# KiCad board SmartSpin2k_Panelized.kicad_pcb (continued)
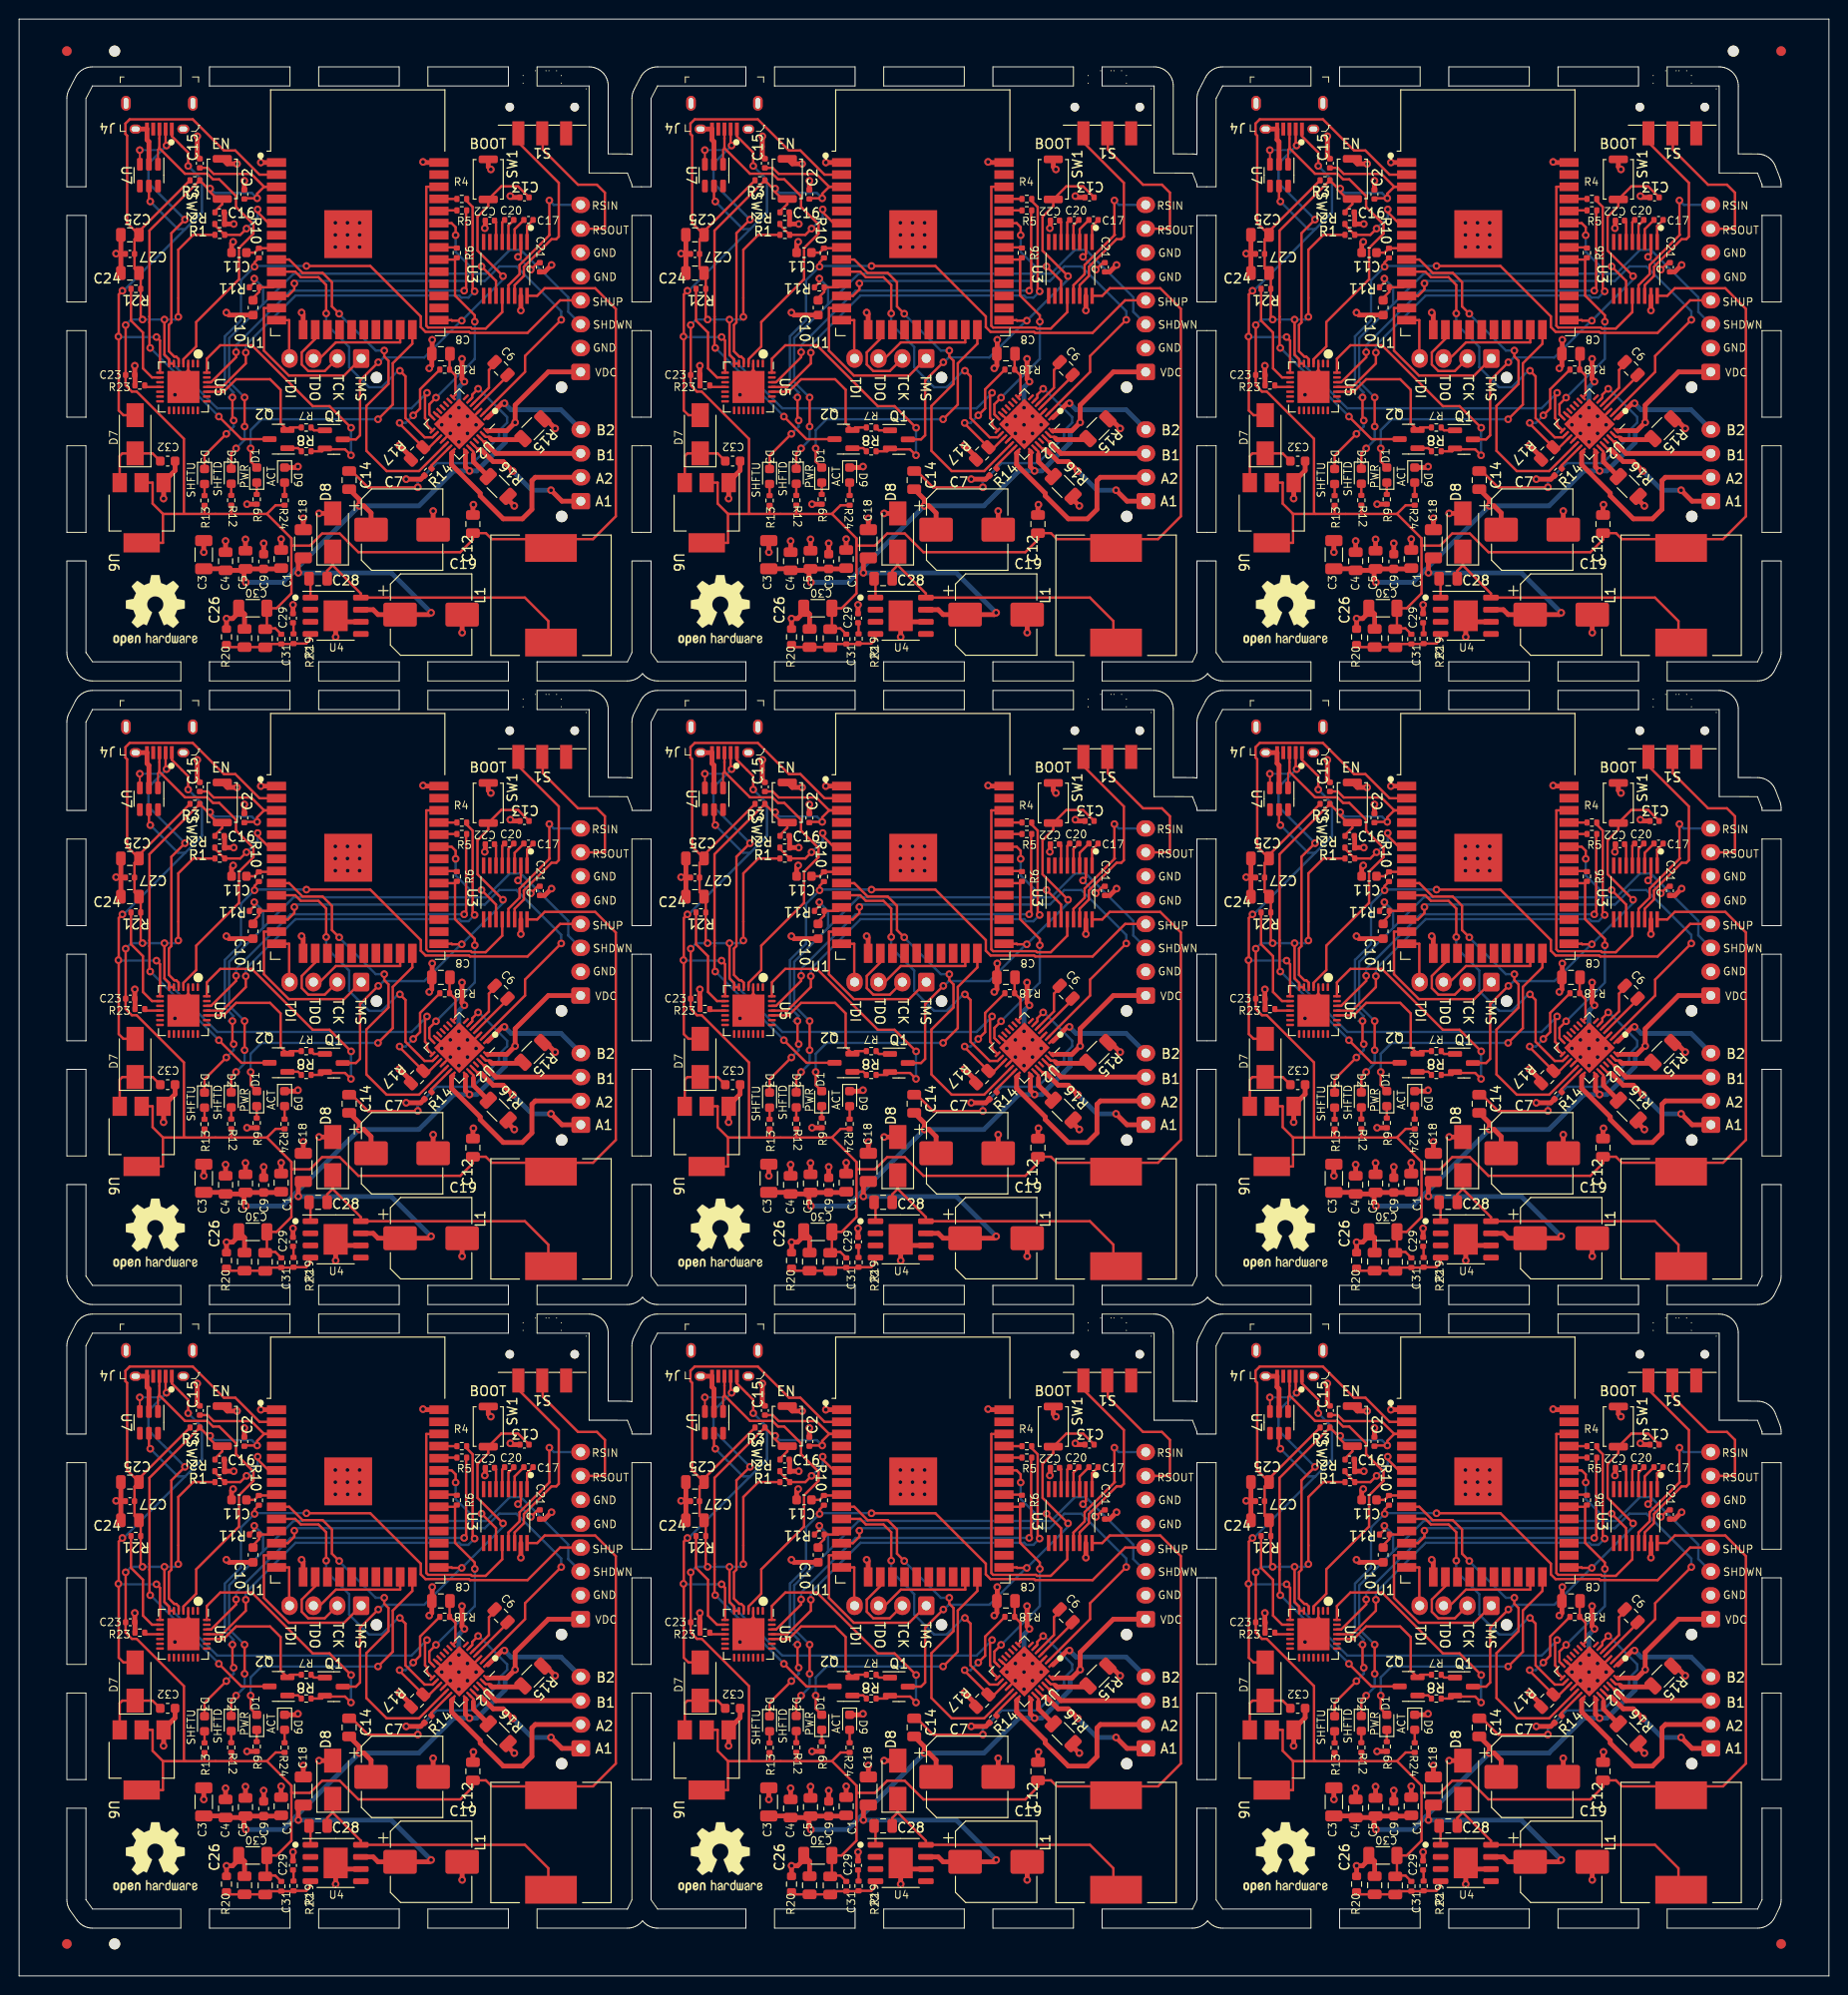
[diagram p0: board, top side]
## Placement (name value [footprint] x y rotation side) (continued)
D7#2  D_Schottky  [D_SMA]  12.15 30.82 90 top
D7#3  D_Schottky  [D_SMA]  130.45 30.82 90 top
D7#4  D_Schottky  [D_SMA]  130.45 96.12 90 top
D7#5  D_Schottky  [D_SMA]  12.15 96.12 90 top
D7#6  D_Schottky  [D_SMA]  130.45 161.42 90 top
D7#7  D_Schottky  [D_SMA]  71.3 30.82 90 top
D7#8  D_Schottky  [D_SMA]  71.3 161.42 90 top
D7#9  D_Schottky  [D_SMA]  71.3 96.12 90 top
D8  D_Schottky  [D_SMA]  32.83 151.14 90 top
D8#2  D_Schottky  [D_SMA]  91.98 85.84 90 top
D8#3  D_Schottky  [D_SMA]  91.98 151.14 90 top
D8#4  D_Schottky  [D_SMA]  32.83 20.54 90 top
D8#5  D_Schottky  [D_SMA]  151.13 20.54 90 top
D8#6  D_Schottky  [D_SMA]  91.98 20.54 90 top
D8#7  D_Schottky  [D_SMA]  151.13 151.14 90 top
D8#8  D_Schottky  [D_SMA]  32.83 85.84 90 top
D8#9  D_Schottky  [D_SMA]  151.13 85.84 90 top
D9  LED_Small  [LED_0603_1608Metric]  27.79 91.86 270 top
D9#2  LED_Small  [LED_0603_1608Metric]  146.09 91.86 270 top
D9#3  LED_Small  [LED_0603_1608Metric]  146.09 157.16 270 top
D9#4  LED_Small  [LED_0603_1608Metric]  86.94 157.16 270 top
D9#5  LED_Small  [LED_0603_1608Metric]  86.94 91.86 270 top
D9#6  LED_Small  [LED_0603_1608Metric]  27.79 157.16 270 top
D9#7  LED_Small  [LED_0603_1608Metric]  27.79 26.56 270 top
D9#8  LED_Small  [LED_0603_1608Metric]  146.09 26.56 270 top
D9#9  LED_Small  [LED_0603_1608Metric]  86.94 26.56 270 top
G***  LOGO  [SS2K_QR_Code_25x25mm]  153.64 186.57 180 bottom
G***#2  LOGO  [SmartSpin_ScreenPrint_One_25x25mm]  19.23 84.59 0 bottom
G***#3  LOGO  [SS2K_QR_Code_25x25mm]  94.49 186.57 180 bottom
G***#4  LOGO  [SS2K_QR_Code_25x25mm]  94.49 121.27 180 bottom
G***#5  LOGO  [SmartSpin_ScreenPrint_One_25x25mm]  137.53 149.89 0 bottom
G***#6  LOGO  [SS2K_QR_Code_25x25mm]  35.34 55.97 180 bottom
G***#7  LOGO  [SmartSpin_ScreenPrint_One_25x25mm]  78.38 149.89 0 bottom
G***#8  LOGO  [SmartSpin_ScreenPrint_One_25x25mm]  78.38 19.29 0 bottom
G***#9  LOGO  [SS2K_QR_Code_25x25mm]  153.64 121.27 180 bottom
G***#10  LOGO  [SmartSpin_ScreenPrint_One_25x25mm]  19.23 19.29 0 bottom
G***#11  LOGO  [SmartSpin_ScreenPrint_One_25x25mm]  19.23 149.89 0 bottom
G***#12  LOGO  [SmartSpin_ScreenPrint_One_25x25mm]  137.53 84.59 0 bottom
G***#13  LOGO  [SmartSpin_ScreenPrint_One_25x25mm]  78.38 84.59 0 bottom
G***#14  LOGO  [SS2K_QR_Code_25x25mm]  35.34 186.57 180 bottom
G***#15  LOGO  [SS2K_QR_Code_25x25mm]  35.34 121.27 180 bottom
G***#16  LOGO  [SmartSpin_ScreenPrint_One_25x25mm]  137.53 19.29 0 bottom
G***#17  LOGO  [SS2K_QR_Code_25x25mm]  153.64 55.97 180 bottom
G***#18  LOGO  [SS2K_QR_Code_25x25mm]  94.49 55.97 180 bottom
J1  B4B-XH-AMLFSN  [JST_XH_B4B-XH-AM_1x04_P2.50mm_Vertical]  58.8 154.42 90 bottom
J1#2  B4B-XH-AMLFSN  [JST_XH_B4B-XH-AM_1x04_P2.50mm_Vertical]  117.95 23.82 90 bottom
J1#3  B4B-XH-AMLFSN  [JST_XH_B4B-XH-AM_1x04_P2.50mm_Vertical]  177.1 89.12 90 bottom
J1#4  B4B-XH-AMLFSN  [JST_XH_B4B-XH-AM_1x04_P2.50mm_Vertical]  58.8 23.82 90 bottom
J1#5  B4B-XH-AMLFSN  [JST_XH_B4B-XH-AM_1x04_P2.50mm_Vertical]  117.95 154.42 90 bottom
J1#6  B4B-XH-AMLFSN  [JST_XH_B4B-XH-AM_1x04_P2.50mm_Vertical]  177.1 154.42 90 bottom
J1#7  B4B-XH-AMLFSN  [JST_XH_B4B-XH-AM_1x04_P2.50mm_Vertical]  117.95 89.12 90 bottom
J1#8  B4B-XH-AMLFSN  [JST_XH_B4B-XH-AM_1x04_P2.50mm_Vertical]  177.1 23.82 90 bottom
J1#9  B4B-XH-AMLFSN  [JST_XH_B4B-XH-AM_1x04_P2.50mm_Vertical]  58.8 89.12 90 bottom
J2  B4B-XH-AMLFSN  [JST_XH_B4B-XH-AM_1x04_P2.50mm_Vertical]  154.11 104.07 180 bottom
J2#2  B4B-XH-AMLFSN  [JST_XH_B4B-XH-AM_1x04_P2.50mm_Vertical]  94.96 169.37 180 bottom
J2#3  B4B-XH-AMLFSN  [JST_XH_B4B-XH-AM_1x04_P2.50mm_Vertical]  94.96 38.77 180 bottom
J2#4  B4B-XH-AMLFSN  [JST_XH_B4B-XH-AM_1x04_P2.50mm_Vertical]  35.81 104.07 180 bottom
J2#5  B4B-XH-AMLFSN  [JST_XH_B4B-XH-AM_1x04_P2.50mm_Vertical]  35.81 38.77 180 bottom
J2#6  B4B-XH-AMLFSN  [JST_XH_B4B-XH-AM_1x04_P2.50mm_Vertical]  154.11 38.77 180 bottom
J2#7  B4B-XH-AMLFSN  [JST_XH_B4B-XH-AM_1x04_P2.50mm_Vertical]  35.81 169.37 180 bottom
J2#8  B4B-XH-AMLFSN  [JST_XH_B4B-XH-AM_1x04_P2.50mm_Vertical]  94.96 104.07 180 bottom
J2#9  B4B-XH-AMLFSN  [JST_XH_B4B-XH-AM_1x04_P2.50mm_Vertical]  154.11 169.37 180 bottom
J3  B8B-XH-A_LFSN  [JST_XH_B8B-XH-AM_1x08_P2.50mm_Vertical]  117.93 167.95 90 bottom
J3#2  B8B-XH-A_LFSN  [JST_XH_B8B-XH-AM_1x08_P2.50mm_Vertical]  58.78 167.95 90 bottom
J3#3  B8B-XH-A_LFSN  [JST_XH_B8B-XH-AM_1x08_P2.50mm_Vertical]  117.93 37.35 90 bottom
J3#4  B8B-XH-A_LFSN  [JST_XH_B8B-XH-AM_1x08_P2.50mm_Vertical]  58.78 37.35 90 bottom
J3#5  B8B-XH-A_LFSN  [JST_XH_B8B-XH-AM_1x08_P2.50mm_Vertical]  177.08 37.35 90 bottom
J3#6  B8B-XH-A_LFSN  [JST_XH_B8B-XH-AM_1x08_P2.50mm_Vertical]  177.08 102.65 90 bottom
J3#7  B8B-XH-A_LFSN  [JST_XH_B8B-XH-AM_1x08_P2.50mm_Vertical]  117.93 102.65 90 bottom
J3#8  B8B-XH-A_LFSN  [JST_XH_B8B-XH-AM_1x08_P2.50mm_Vertical]  177.08 167.95 90 bottom
J3#9  B8B-XH-A_LFSN  [JST_XH_B8B-XH-AM_1x08_P2.50mm_Vertical]  58.78 102.65 90 bottom
J4  10118194-0001LF  [USB_Micro_B_Female_10118194-0001LF]  73.84 62.79 180 top
J4#2  10118194-0001LF  [USB_Micro_B_Female_10118194-0001LF]  73.84 193.39 180 top
J4#3  10118194-0001LF  [USB_Micro_B_Female_10118194-0001LF]  14.69 128.09 180 top
J4#4  10118194-0001LF  [USB_Micro_B_Female_10118194-0001LF]  132.99 193.39 180 top
J4#5  10118194-0001LF  [USB_Micro_B_Female_10118194-0001LF]  73.84 128.09 180 top
J4#6  10118194-0001LF  [USB_Micro_B_Female_10118194-0001LF]  14.69 62.79 180 top
J4#7  10118194-0001LF  [USB_Micro_B_Female_10118194-0001LF]  132.99 62.79 180 top
J4#8  10118194-0001LF  [USB_Micro_B_Female_10118194-0001LF]  132.99 128.09 180 top
J4#9  10118194-0001LF  [USB_Micro_B_Female_10118194-0001LF]  14.69 193.39 180 top
L1  L_Iron  [L_12x12mm_H8mm]  173.98 144.57 90 top
L1#2  L_Iron  [L_12x12mm_H8mm]  55.68 144.57 90 top
L1#3  L_Iron  [L_12x12mm_H8mm]  55.68 79.27 90 top
L1#4  L_Iron  [L_12x12mm_H8mm]  55.68 13.97 90 top
L1#5  L_Iron  [L_12x12mm_H8mm]  114.83 144.57 90 top
L1#6  L_Iron  [L_12x12mm_H8mm]  173.98 79.27 90 top
L1#7  L_Iron  [L_12x12mm_H8mm]  173.98 13.97 90 top
L1#8  L_Iron  [L_12x12mm_H8mm]  114.83 13.97 90 top
L1#9  L_Iron  [L_12x12mm_H8mm]  114.83 79.27 90 top
Q1  S8050  [SOT-23]  151.25 160.89 0 top
Q1#2  S8050  [SOT-23]  92.1 95.59 0 top
Q1#3  S8050  [SOT-23]  32.95 160.89 0 top
Q1#4  S8050  [SOT-23]  32.95 95.59 0 top
Q1#5  S8050  [SOT-23]  151.25 95.59 0 top
Q1#6  S8050  [SOT-23]  151.25 30.29 0 top
Q1#7  S8050  [SOT-23]  92.1 160.89 0 top
Q1#8  S8050  [SOT-23]  92.1 30.29 0 top
Q1#9  S8050  [SOT-23]  32.95 30.29 0 top
Q2  S8050  [SOT-23]  27.15 160.92 180 top
Q2#2  S8050  [SOT-23]  27.15 95.62 180 top
Q2#3  S8050  [SOT-23]  145.45 30.32 180 top
Q2#4  S8050  [SOT-23]  145.45 95.62 180 top
Q2#5  S8050  [SOT-23]  86.3 95.62 180 top
Q2#6  S8050  [SOT-23]  86.3 160.92 180 top
Q2#7  S8050  [SOT-23]  86.3 30.32 180 top
Q2#8  S8050  [SOT-23]  27.15 30.32 180 top
Q2#9  S8050  [SOT-23]  145.45 160.92 180 top
R1  0(5%)  [R_0402_1005Metric]  139.31 117.01 0 top
R1#2  0(5%)  [R_0402_1005Metric]  21.01 182.31 0 top
R1#3  0(5%)  [R_0402_1005Metric]  21.01 117.01 0 top
R1#4  0(5%)  [R_0402_1005Metric]  80.16 182.31 0 top
R1#5  0(5%)  [R_0402_1005Metric]  80.16 51.71 0 top
R1#6  0(5%)  [R_0402_1005Metric]  80.16 117.01 0 top
R1#7  0(5%)  [R_0402_1005Metric]  139.31 51.71 0 top
R1#8  0(5%)  [R_0402_1005Metric]  139.31 182.31 0 top
R1#9  0(5%)  [R_0402_1005Metric]  21.01 51.71 0 top
R2  1M  [R_0402_1005Metric]  21 118.15 180 top
R2#2  1M  [R_0402_1005Metric]  80.15 52.85 180 top
R2#3  1M  [R_0402_1005Metric]  139.3 183.45 180 top
R2#4  1M  [R_0402_1005Metric]  80.15 118.15 180 top
R2#5  1M  [R_0402_1005Metric]  139.3 118.15 180 top
R2#6  1M  [R_0402_1005Metric]  80.15 183.45 180 top
R2#7  1M  [R_0402_1005Metric]  139.3 52.85 180 top
R2#8  1M  [R_0402_1005Metric]  21 52.85 180 top
R2#9  1M  [R_0402_1005Metric]  21 183.45 180 top
R3  10k  [R_0402_1005Metric]  136.7 122.72 0 top
R3#2  10k  [R_0402_1005Metric]  18.4 122.72 0 top
R3#3  10k  [R_0402_1005Metric]  136.7 188.02 0 top
R3#4  10k  [R_0402_1005Metric]  18.4 188.02 0 top
R3#5  10k  [R_0402_1005Metric]  77.55 188.02 0 top
R3#6  10k  [R_0402_1005Metric]  18.4 57.42 0 top
R3#7  10k  [R_0402_1005Metric]  77.55 57.42 0 top
R3#8  10k  [R_0402_1005Metric]  136.7 57.42 0 top
R3#9  10k  [R_0402_1005Metric]  77.55 122.72 0 top
R4  0(5%)  [R_0402_1005Metric]  46.34 186.07 0 top
R4#2  0(5%)  [R_0402_1005Metric]  105.49 186.07 0 top
R4#3  0(5%)  [R_0402_1005Metric]  46.34 120.77 0 top
R4#4  0(5%)  [R_0402_1005Metric]  164.64 55.47 0 top
R4#5  0(5%)  [R_0402_1005Metric]  46.34 55.47 0 top
R4#6  0(5%)  [R_0402_1005Metric]  164.64 186.07 0 top
R4#7  0(5%)  [R_0402_1005Metric]  164.64 120.77 0 top
R4#8  0(5%)  [R_0402_1005Metric]  105.49 55.47 0 top
R4#9  0(5%)  [R_0402_1005Metric]  105.49 120.77 0 top
R5  0(5%)  [R_0402_1005Metric]  46.34 184.87 0 top
R5#2  0(5%)  [R_0402_1005Metric]  46.34 54.27 0 top
R5#3  0(5%)  [R_0402_1005Metric]  105.49 54.27 0 top
R5#4  0(5%)  [R_0402_1005Metric]  105.49 184.87 0 top
R5#5  0(5%)  [R_0402_1005Metric]  164.64 54.27 0 top
R5#6  0(5%)  [R_0402_1005Metric]  46.34 119.57 0 top
R5#7  0(5%)  [R_0402_1005Metric]  164.64 119.57 0 top
R5#8  0(5%)  [R_0402_1005Metric]  105.49 119.57 0 top
R5#9  0(5%)  [R_0402_1005Metric]  164.64 184.87 0 top
R6  1k  [R_0402_1005Metric]  104.97 180.42 90 top
R6#2  1k  [R_0402_1005Metric]  45.82 180.42 90 top
R6#3  1k  [R_0402_1005Metric]  164.12 49.82 90 top
R6#4  1k  [R_0402_1005Metric]  45.82 49.82 90 top
R6#5  1k  [R_0402_1005Metric]  45.82 115.12 90 top
R6#6  1k  [R_0402_1005Metric]  104.97 115.12 90 top
R6#7  1k  [R_0402_1005Metric]  164.12 115.12 90 top
R6#8  1k  [R_0402_1005Metric]  104.97 49.82 90 top
R6#9  1k  [R_0402_1005Metric]  164.12 180.42 90 top
R7  10k  [R_0402_1005Metric]  30.05 96.84 180 top
R7#2  10k  [R_0402_1005Metric]  89.2 162.14 180 top
R7#3  10k  [R_0402_1005Metric]  148.35 162.14 180 top
R7#4  10k  [R_0402_1005Metric]  148.35 31.54 180 top
R7#5  10k  [R_0402_1005Metric]  89.2 31.54 180 top
R7#6  10k  [R_0402_1005Metric]  148.35 96.84 180 top
R7#7  10k  [R_0402_1005Metric]  30.05 162.14 180 top
R7#8  10k  [R_0402_1005Metric]  30.05 31.54 180 top
R7#9  10k  [R_0402_1005Metric]  89.2 96.84 180 top
R8  10k  [R_0402_1005Metric]  89.2 94.35 180 top
R8#2  10k  [R_0402_1005Metric]  148.35 29.05 180 top
R8#3  10k  [R_0402_1005Metric]  30.05 159.65 180 top
R8#4  10k  [R_0402_1005Metric]  89.2 159.65 180 top
R8#5  10k  [R_0402_1005Metric]  30.05 94.35 180 top
R8#6  10k  [R_0402_1005Metric]  148.35 94.35 180 top
R8#7  10k  [R_0402_1005Metric]  89.2 29.05 180 top
R8#8  10k  [R_0402_1005Metric]  148.35 159.65 180 top
R8#9  10k  [R_0402_1005Metric]  30.05 29.05 180 top
R9  330  [R_0402_1005Metric]  84.02 154.62 90 top
R9#2  330  [R_0402_1005Metric]  24.87 89.32 90 top
R9#3  330  [R_0402_1005Metric]  84.02 89.32 90 top
R9#4  330  [R_0402_1005Metric]  143.17 154.62 90 top
R9#5  330  [R_0402_1005Metric]  143.17 24.02 90 top
R9#6  330  [R_0402_1005Metric]  24.87 24.02 90 top
R9#7  330  [R_0402_1005Metric]  84.02 24.02 90 top
R9#8  330  [R_0402_1005Metric]  143.17 89.32 90 top
R9#9  330  [R_0402_1005Metric]  24.87 154.62 90 top
R10  200  [R_0402_1005Metric]  143.4 49.8 270 top
R10#2  200  [R_0402_1005Metric]  25.1 115.1 270 top
R10#3  200  [R_0402_1005Metric]  25.1 49.8 270 top
R10#4  200  [R_0402_1005Metric]  143.4 115.1 270 top
R10#5  200  [R_0402_1005Metric]  84.25 115.1 270 top
R10#6  200  [R_0402_1005Metric]  25.1 180.4 270 top
R10#7  200  [R_0402_1005Metric]  143.4 180.4 270 top
R10#8  200  [R_0402_1005Metric]  84.25 180.4 270 top
R10#9  200  [R_0402_1005Metric]  84.25 49.8 270 top
R11  200  [R_0402_1005Metric]  83.77 111.52 180 top
R11#2  200  [R_0402_1005Metric]  83.77 176.82 180 top
R11#3  200  [R_0402_1005Metric]  24.62 111.52 180 top
R11#4  200  [R_0402_1005Metric]  24.62 176.82 180 top
R11#5  200  [R_0402_1005Metric]  142.92 46.22 180 top
R11#6  200  [R_0402_1005Metric]  142.92 176.82 180 top
R11#7  200  [R_0402_1005Metric]  24.62 46.22 180 top
R11#8  200  [R_0402_1005Metric]  83.77 46.22 180 top
R11#9  200  [R_0402_1005Metric]  142.92 111.52 180 top
R12  330  [R_0402_1005Metric]  22.2 154.52 270 top
R12#2  330  [R_0402_1005Metric]  81.36 154.52 270 top
R12#3  330  [R_0402_1005Metric]  140.5 89.22 270 top
R12#4  330  [R_0402_1005Metric]  22.2 23.92 270 top
R12#5  330  [R_0402_1005Metric]  140.5 154.52 270 top
R12#6  330  [R_0402_1005Metric]  81.36 89.22 270 top
R12#7  330  [R_0402_1005Metric]  81.36 23.92 270 top
R12#8  330  [R_0402_1005Metric]  22.2 89.22 270 top
R12#9  330  [R_0402_1005Metric]  140.5 23.92 270 top
R13  330  [R_0402_1005Metric]  137.71 23.89 90 top
R13#2  330  [R_0402_1005Metric]  19.41 154.49 90 top
R13#3  330  [R_0402_1005Metric]  78.56 23.89 90 top
R13#4  330  [R_0402_1005Metric]  19.41 23.89 90 top
R13#5  330  [R_0402_1005Metric]  19.41 89.19 90 top
R13#6  330  [R_0402_1005Metric]  137.71 154.49 90 top
R13#7  330  [R_0402_1005Metric]  137.71 89.19 90 top
R13#8  330  [R_0402_1005Metric]  78.56 154.49 90 top
R13#9  330  [R_0402_1005Metric]  78.56 89.19 90 top
R14  100k  [R_0402_1005Metric]  42.8 157.49 45 top
R14#2  100k  [R_0402_1005Metric]  101.95 26.89 45 top
R14#3  100k  [R_0402_1005Metric]  42.8 92.19 45 top
R14#4  100k  [R_0402_1005Metric]  161.1 92.19 45 top
R14#5  100k  [R_0402_1005Metric]  101.95 92.19 45 top
R14#6  100k  [R_0402_1005Metric]  161.1 26.89 45 top
R14#7  100k  [R_0402_1005Metric]  101.95 157.49 45 top
R14#8  100k  [R_0402_1005Metric]  42.8 26.89 45 top
R14#9  100k  [R_0402_1005Metric]  161.1 157.49 45 top
R15  80m  [R_1206_3216Metric]  112.93 162.01 225 top
R15#2  80m  [R_1206_3216Metric]  53.78 96.71 225 top
R15#3  80m  [R_1206_3216Metric]  172.08 96.71 225 top
R15#4  80m  [R_1206_3216Metric]  172.08 31.41 225 top
R15#5  80m  [R_1206_3216Metric]  112.93 31.41 225 top
R15#6  80m  [R_1206_3216Metric]  112.93 96.71 225 top
R15#7  80m  [R_1206_3216Metric]  53.78 162.01 225 top
R15#8  80m  [R_1206_3216Metric]  53.78 31.41 225 top
R15#9  80m  [R_1206_3216Metric]  172.08 162.01 225 top
R16  80m  [R_1206_3216Metric]  109.3 90.66 135 top
R16#2  80m  [R_1206_3216Metric]  50.14 90.66 135 top
R16#3  80m  [R_1206_3216Metric]  168.44 90.66 135 top
R16#4  80m  [R_1206_3216Metric]  109.3 25.36 135 top
R16#5  80m  [R_1206_3216Metric]  168.44 155.96 135 top
R16#6  80m  [R_1206_3216Metric]  50.14 25.36 135 top
R16#7  80m  [R_1206_3216Metric]  50.14 155.96 135 top
R16#8  80m  [R_1206_3216Metric]  109.3 155.96 135 top
R16#9  80m  [R_1206_3216Metric]  168.44 25.36 135 top
R17  20k  [R_0805_2012Metric]  159.96 159.42 225 top
R17#2  20k  [R_0805_2012Metric]  41.66 94.12 225 top
R17#3  20k  [R_0805_2012Metric]  159.96 94.12 225 top
R17#4  20k  [R_0805_2012Metric]  100.81 159.42 225 top
R17#5  20k  [R_0805_2012Metric]  41.66 159.42 225 top
R17#6  20k  [R_0805_2012Metric]  159.96 28.82 225 top
R17#7  20k  [R_0805_2012Metric]  100.81 94.12 225 top
R17#8  20k  [R_0805_2012Metric]  41.66 28.82 225 top
R17#9  20k  [R_0805_2012Metric]  100.81 28.82 225 top
R18  22k  [R_0402_1005Metric]  103.7 168.2 180 top
R18#2  22k  [R_0402_1005Metric]  162.85 102.9 180 top
R18#3  22k  [R_0402_1005Metric]  44.55 102.9 180 top
R18#4  22k  [R_0402_1005Metric]  162.85 168.2 180 top
R18#5  22k  [R_0402_1005Metric]  103.7 102.9 180 top
R18#6  22k  [R_0402_1005Metric]  162.85 37.6 180 top
R18#7  22k  [R_0402_1005Metric]  44.55 37.6 180 top
R18#8  22k  [R_0402_1005Metric]  103.7 37.6 180 top
R18#9  22k  [R_0402_1005Metric]  44.55 168.2 180 top
R19  549  [R_0402_1005Metric]  147.03 74.72 90 top
R19#2  549  [R_0402_1005Metric]  28.73 140.02 90 top
R19#3  549  [R_0402_1005Metric]  147.03 140.02 90 top
R19#4  549  [R_0402_1005Metric]  28.73 74.72 90 top
R19#5  549  [R_0402_1005Metric]  87.88 140.02 90 top
R19#6  549  [R_0402_1005Metric]  28.73 9.42 90 top
R19#7  549  [R_0402_1005Metric]  87.88 9.42 90 top
R19#8  549  [R_0402_1005Metric]  87.88 74.72 90 top
R19#9  549  [R_0402_1005Metric]  147.03 9.42 90 top
R20  5.9k  [R_0603_1608Metric]  140.01 74.91 90 top
R20#2  5.9k  [R_0603_1608Metric]  21.71 140.21 90 top
R20#3  5.9k  [R_0603_1608Metric]  21.71 74.91 90 top
R20#4  5.9k  [R_0603_1608Metric]  140.01 9.61 90 top
R20#5  5.9k  [R_0603_1608Metric]  140.01 140.21 90 top
R20#6  5.9k  [R_0603_1608Metric]  80.86 140.21 90 top
R20#7  5.9k  [R_0603_1608Metric]  21.71 9.61 90 top
R20#8  5.9k  [R_0603_1608Metric]  80.86 74.91 90 top
R20#9  5.9k  [R_0603_1608Metric]  80.86 9.61 90 top
R21  4.7k  [R_0402_1005Metric]  12.22 176.66 180 top
R21#2  4.7k  [R_0402_1005Metric]  71.37 176.66 180 top
R21#3  4.7k  [R_0402_1005Metric]  130.52 111.36 180 top
R21#4  4.7k  [R_0402_1005Metric]  130.52 46.06 180 top
R21#5  4.7k  [R_0402_1005Metric]  130.52 176.66 180 top
R21#6  4.7k  [R_0402_1005Metric]  71.37 111.36 180 top
R21#7  4.7k  [R_0402_1005Metric]  12.22 46.06 180 top
R21#8  4.7k  [R_0402_1005Metric]  12.22 111.36 180 top
R21#9  4.7k  [R_0402_1005Metric]  71.37 46.06 180 top
R22  10k  [R_0402_1005Metric]  27.44 9.38 90 top
R22#2  10k  [R_0402_1005Metric]  145.74 139.98 90 top
R22#3  10k  [R_0402_1005Metric]  27.44 74.68 90 top
R22#4  10k  [R_0402_1005Metric]  145.74 9.38 90 top
R22#5  10k  [R_0402_1005Metric]  86.59 139.98 90 top
R22#6  10k  [R_0402_1005Metric]  86.59 74.68 90 top
R22#7  10k  [R_0402_1005Metric]  86.59 9.38 90 top
R22#8  10k  [R_0402_1005Metric]  145.74 74.68 90 top
R22#9  10k  [R_0402_1005Metric]  27.44 139.98 90 top
R23  10k  [R_0402_1005Metric]  130.94 101.24 0 top
R23#2  10k  [R_0402_1005Metric]  71.79 35.94 0 top
R23#3  10k  [R_0402_1005Metric]  12.64 166.54 0 top
R23#4  10k  [R_0402_1005Metric]  12.64 101.24 0 top
R23#5  10k  [R_0402_1005Metric]  71.79 166.54 0 top
R23#6  10k  [R_0402_1005Metric]  130.94 166.54 0 top
R23#7  10k  [R_0402_1005Metric]  71.79 101.24 0 top
R23#8  10k  [R_0402_1005Metric]  12.64 35.94 0 top
R23#9  10k  [R_0402_1005Metric]  130.94 35.94 0 top
R24  330  [R_0402_1005Metric]  86.94 154.51 270 top
R24#2  330  [R_0402_1005Metric]  86.94 23.91 270 top
R24#3  330  [R_0402_1005Metric]  146.09 23.91 270 top
R24#4  330  [R_0402_1005Metric]  27.79 154.51 270 top
R24#5  330  [R_0402_1005Metric]  146.09 154.51 270 top
R24#6  330  [R_0402_1005Metric]  27.79 89.21 270 top
R24#7  330  [R_0402_1005Metric]  86.94 89.21 270 top
R24#8  330  [R_0402_1005Metric]  27.79 23.91 270 top
R24#9  330  [R_0402_1005Metric]  146.09 89.21 270 top
REF**  -  [OSHW-Logo2_9.8x8mm_SilkScreen]  14.25 142.98 0 top
REF**#2  -  [NPTH]  10 201.55 0 top
REF**#3  -  [OSHW-Logo2_9.8x8mm_SilkScreen]  132.55 77.68 0 top
REF**#4  -  [Fiducial]  184.45 3.35 0 top
REF**#5  -  [OSHW-Logo2_9.8x8mm_SilkScreen]  14.25 12.38 0 top
REF**#6  -  [NPTH]  179.45 201.55 0 top
REF**#7  -  [OSHW-Logo2_9.8x8mm_SilkScreen]  73.4 12.38 0 top
REF**#8  -  [OSHW-Logo2_9.8x8mm_SilkScreen]  132.55 12.38 0 top
REF**#9  -  [OSHW-Logo2_9.8x8mm_SilkScreen]  14.25 77.68 0 top
REF**#10  -  [Fiducial]  5 201.55 0 top
REF**#11  -  [NPTH]  10 3.35 0 top
REF**#12  -  [OSHW-Logo2_9.8x8mm_SilkScreen]  73.4 142.98 0 top
REF**#13  -  [OSHW-Logo2_9.8x8mm_SilkScreen]  73.4 77.68 0 top
REF**#14  -  [OSHW-Logo2_9.8x8mm_SilkScreen]  132.55 142.98 0 top
REF**#15  -  [Fiducial]  184.45 201.55 0 top
REF**#16  -  [Fiducial]  5 3.35 0 top
REF**#17  -  [Fiducial]  5 3.35 0 bottom
REF**#18  -  [Fiducial]  5 201.55 0 bottom
REF**#19  -  [Fiducial]  184.45 3.35 0 bottom
REF**#20  -  [Fiducial]  184.45 201.55 0 bottom
S1  EG1218  [SW_SPDT_CK-JS102011SAQN]  54.76 130.39 180 top
S1#2  EG1218  [SW_SPDT_CK-JS102011SAQN]  54.76 65.09 180 top
S1#3  EG1218  [SW_SPDT_CK-JS102011SAQN]  173.06 195.69 180 top
S1#4  EG1218  [SW_SPDT_CK-JS102011SAQN]  113.91 195.69 180 top
S1#5  EG1218  [SW_SPDT_CK-JS102011SAQN]  173.06 65.09 180 top
S1#6  EG1218  [SW_SPDT_CK-JS102011SAQN]  113.91 130.39 180 top
S1#7  EG1218  [SW_SPDT_CK-JS102011SAQN]  113.91 65.09 180 top
S1#8  EG1218  [SW_SPDT_CK-JS102011SAQN]  173.06 130.39 180 top
S1#9  EG1218  [SW_SPDT_CK-JS102011SAQN]  54.76 195.69 180 top
SW1  SW_Push  [SW_Push_SPST_NO_Alps_SKRK]  108.26 57.52 90 top
SW1#2  SW_Push  [SW_Push_SPST_NO_Alps_SKRK]  49.11 122.82 90 top
SW1#3  SW_Push  [SW_Push_SPST_NO_Alps_SKRK]  108.26 188.12 90 top
SW1#4  SW_Push  [SW_Push_SPST_NO_Alps_SKRK]  167.41 188.12 90 top
SW1#5  SW_Push  [SW_Push_SPST_NO_Alps_SKRK]  49.11 188.12 90 top
SW1#6  SW_Push  [SW_Push_SPST_NO_Alps_SKRK]  167.41 57.52 90 top
SW1#7  SW_Push  [SW_Push_SPST_NO_Alps_SKRK]  108.26 122.82 90 top
SW1#8  SW_Push  [SW_Push_SPST_NO_Alps_SKRK]  49.11 57.52 90 top
SW1#9  SW_Push  [SW_Push_SPST_NO_Alps_SKRK]  167.41 122.82 90 top
SW2  SW_Push  [SW_Push_SPST_NO_Alps_SKRK]  80.42 57.57 270 top
SW2#2  SW_Push  [SW_Push_SPST_NO_Alps_SKRK]  21.27 122.87 270 top
SW2#3  SW_Push  [SW_Push_SPST_NO_Alps_SKRK]  80.42 122.87 270 top
SW2#4  SW_Push  [SW_Push_SPST_NO_Alps_SKRK]  139.57 188.17 270 top
SW2#5  SW_Push  [SW_Push_SPST_NO_Alps_SKRK]  80.42 188.17 270 top
SW2#6  SW_Push  [SW_Push_SPST_NO_Alps_SKRK]  139.57 57.57 270 top
SW2#7  SW_Push  [SW_Push_SPST_NO_Alps_SKRK]  21.27 188.17 270 top
SW2#8  SW_Push  [SW_Push_SPST_NO_Alps_SKRK]  139.57 122.87 270 top
SW2#9  SW_Push  [SW_Push_SPST_NO_Alps_SKRK]  21.27 57.57 270 top
U1  ESP32-WROOM-32D  [ESP32-WROOM-32]  153.75 181.63 0 top
U1#2  ESP32-WROOM-32D  [ESP32-WROOM-32]  35.45 181.63 0 top
U1#3  ESP32-WROOM-32D  [ESP32-WROOM-32]  94.6 116.33 0 top
U1#4  ESP32-WROOM-32D  [ESP32-WROOM-32]  35.45 116.33 0 top
U1#5  ESP32-WROOM-32D  [ESP32-WROOM-32]  35.45 51.03 0 top
U1#6  ESP32-WROOM-32D  [ESP32-WROOM-32]  153.75 51.03 0 top
U1#7  ESP32-WROOM-32D  [ESP32-WROOM-32]  153.75 116.33 0 top
U1#8  ESP32-WROOM-32D  [ESP32-WROOM-32]  94.6 181.63 0 top
U1#9  ESP32-WROOM-32D  [ESP32-WROOM-32]  94.6 51.03 0 top
U2  TMC2209-LA-T  [QFN-28-1EP_5x5mm_P0.5mm_EP3.75x3.75mm]  164.38 162.49 225 top
U2#2  TMC2209-LA-T  [QFN-28-1EP_5x5mm_P0.5mm_EP3.75x3.75mm]  46.08 162.49 225 top
U2#3  TMC2209-LA-T  [QFN-28-1EP_5x5mm_P0.5mm_EP3.75x3.75mm]  46.08 97.19 225 top
U2#4  TMC2209-LA-T  [QFN-28-1EP_5x5mm_P0.5mm_EP3.75x3.75mm]  164.38 31.89 225 top
U2#5  TMC2209-LA-T  [QFN-28-1EP_5x5mm_P0.5mm_EP3.75x3.75mm]  164.38 97.19 225 top
U2#6  TMC2209-LA-T  [QFN-28-1EP_5x5mm_P0.5mm_EP3.75x3.75mm]  105.23 97.19 225 top
U2#7  TMC2209-LA-T  [QFN-28-1EP_5x5mm_P0.5mm_EP3.75x3.75mm]  46.08 31.89 225 top
U2#8  TMC2209-LA-T  [QFN-28-1EP_5x5mm_P0.5mm_EP3.75x3.75mm]  105.23 162.49 225 top
U2#9  TMC2209-LA-T  [QFN-28-1EP_5x5mm_P0.5mm_EP3.75x3.75mm]  105.23 31.89 225 top
U3  MAX3232  [MAX3232IPWR]  110.05 48.14 270 top
U3#2  MAX3232  [MAX3232IPWR]  169.2 48.14 270 top
U3#3  MAX3232  [MAX3232IPWR]  50.9 113.44 270 top
U3#4  MAX3232  [MAX3232IPWR]  110.05 113.44 270 top
U3#5  MAX3232  [MAX3232IPWR]  169.2 113.44 270 top
U3#6  MAX3232  [MAX3232IPWR]  110.05 178.74 270 top
U3#7  MAX3232  [MAX3232IPWR]  169.2 178.74 270 top
U3#8  MAX3232  [MAX3232IPWR]  50.9 48.14 270 top
U3#9  MAX3232  [MAX3232IPWR]  50.9 178.74 270 top
U4  TPS5430DDA  [SOIC-8-1EP_3.9x4.9mm_P1.27mm_EP2.514x3.2mm]  92.29 142.42 0 top
U4#2  TPS5430DDA  [SOIC-8-1EP_3.9x4.9mm_P1.27mm_EP2.514x3.2mm]  151.44 142.42 0 top
U4#3  TPS5430DDA  [SOIC-8-1EP_3.9x4.9mm_P1.27mm_EP2.514x3.2mm]  92.29 11.82 0 top
U4#4  TPS5430DDA  [SOIC-8-1EP_3.9x4.9mm_P1.27mm_EP2.514x3.2mm]  92.29 77.12 0 top
U4#5  TPS5430DDA  [SOIC-8-1EP_3.9x4.9mm_P1.27mm_EP2.514x3.2mm]  33.14 11.82 0 top
U4#6  TPS5430DDA  [SOIC-8-1EP_3.9x4.9mm_P1.27mm_EP2.514x3.2mm]  33.14 77.12 0 top
U4#7  TPS5430DDA  [SOIC-8-1EP_3.9x4.9mm_P1.27mm_EP2.514x3.2mm]  151.44 11.82 0 top
U4#8  TPS5430DDA  [SOIC-8-1EP_3.9x4.9mm_P1.27mm_EP2.514x3.2mm]  151.44 77.12 0 top
U4#9  TPS5430DDA  [SOIC-8-1EP_3.9x4.9mm_P1.27mm_EP2.514x3.2mm]  33.14 142.42 0 top
U5  INTERFACE-CP2102-GMR(QFN28)  [QFN-28-1EP_5x5mm_P0.5mm_EP3.35x3.35mm]  17.2 35.78 270 top
U5#2  INTERFACE-CP2102-GMR(QFN28)  [QFN-28-1EP_5x5mm_P0.5mm_EP3.35x3.35mm]  76.35 101.08 270 top
U5#3  INTERFACE-CP2102-GMR(QFN28)  [QFN-28-1EP_5x5mm_P0.5mm_EP3.35x3.35mm]  17.2 101.08 270 top
U5#4  INTERFACE-CP2102-GMR(QFN28)  [QFN-28-1EP_5x5mm_P0.5mm_EP3.35x3.35mm]  76.35 35.78 270 top
U5#5  INTERFACE-CP2102-GMR(QFN28)  [QFN-28-1EP_5x5mm_P0.5mm_EP3.35x3.35mm]  135.5 35.78 270 top
U5#6  INTERFACE-CP2102-GMR(QFN28)  [QFN-28-1EP_5x5mm_P0.5mm_EP3.35x3.35mm]  135.5 166.38 270 top
U5#7  INTERFACE-CP2102-GMR(QFN28)  [QFN-28-1EP_5x5mm_P0.5mm_EP3.35x3.35mm]  76.35 166.38 270 top
U5#8  INTERFACE-CP2102-GMR(QFN28)  [QFN-28-1EP_5x5mm_P0.5mm_EP3.35x3.35mm]  17.2 166.38 270 top
U5#9  INTERFACE-CP2102-GMR(QFN28)  [QFN-28-1EP_5x5mm_P0.5mm_EP3.35x3.35mm]  135.5 101.08 270 top
U6  LM1117-3.3  [SOT-223-3_TabPin2]  71.98 87.91 270 top
U6#2  LM1117-3.3  [SOT-223-3_TabPin2]  71.98 153.21 270 top
U6#3  LM1117-3.3  [SOT-223-3_TabPin2]  12.83 153.21 270 top
U6#4  LM1117-3.3  [SOT-223-3_TabPin2]  71.98 22.61 270 top
U6#5  LM1117-3.3  [SOT-223-3_TabPin2]  131.13 87.91 270 top
U6#6  LM1117-3.3  [SOT-223-3_TabPin2]  131.13 153.21 270 top
U6#7  LM1117-3.3  [SOT-223-3_TabPin2]  131.13 22.61 270 top
U6#8  LM1117-3.3  [SOT-223-3_TabPin2]  12.83 87.91 270 top
U6#9  LM1117-3.3  [SOT-223-3_TabPin2]  12.83 22.61 270 top
U7  SRV05-4  [SOT-23-6]  131.89 57.96 270 top
U7#2  SRV05-4  [SOT-23-6]  13.59 123.26 270 top
U7#3  SRV05-4  [SOT-23-6]  72.74 188.56 270 top
U7#4  SRV05-4  [SOT-23-6]  13.59 188.56 270 top
U7#5  SRV05-4  [SOT-23-6]  131.89 123.26 270 top
U7#6  SRV05-4  [SOT-23-6]  72.74 123.26 270 top
U7#7  SRV05-4  [SOT-23-6]  13.59 57.96 270 top
U7#8  SRV05-4  [SOT-23-6]  72.74 57.96 270 top
U7#9  SRV05-4  [SOT-23-6]  131.89 188.56 270 top

## Library data of the parts
J4 J4#2-J4#9 = -: Description: CONN RCPT USB2.0 MICRO B SMD R/A; Category: Connectors, Interconnects; DK_Datasheet_Link: http://www.amphenol-icc.com/media/wysiwyg/files/drawing/10118194.pdf; DK_Detail_Page: /product-detail/en/amphenol-icc-fci/10118194-0001LF/609-4618-1-ND/2785382; Digi-Key_PN: 609-4618-1-ND; Family: USB, DVI, HDMI Connectors; Manufacturer: Amphenol ICC (FCI); Status: Active
S1 S1#2-S1#9 = -: MANUFACTURER: C&K
U1 U1#2-U1#9 = -: MANUFACTURER: Espressif Systems; MAXIMUM_PACKAGE_HEIGHT: 3.2 mm; PARTREV: 1.9; STANDARD: Manufacturer Recommendations
U5 U5#2-U5#9 = -: MPN: CP2102-GMR

## Footprints (pads in the part's own frame, mm; a bottom-side part is the same pattern mirrored in y, then rotated)
C_0402_1005Metric
  rrect 0.56x0.62 smd: 1(-0.48,0) 2(0.48,0)
C_0603_1608Metric
  rrect 0.9x0.95 smd: 1(-0.775,0) 2(0.775,0)
C_0805_2012Metric
  rrect 1x1.45 smd: 1(-0.95,0) 2(0.95,0)
C_1206_3216Metric
  rrect 1.15x1.8 smd: 1(-1.475,0) 2(1.475,0)
CP_Elec_8x10
  rrect 3.5x2.5 smd: 1(-3.25,0) 2(3.25,0)
D_SMA
  rect 2.5x1.8 smd: 1(-2,0) 2(2,0)
ESP32-WROOM-32
  rect 2x0.9 smd: 1(-8.5,8.255) 2(-8.5,6.985) 3(-8.5,5.715) 4(-8.5,4.445) 5(-8.5,3.175) 6(-8.5,1.905) 7(-8.5,0.635) 8(-8.5,-0.635) 9(-8.5,-1.905) 10(-8.5,-3.175) 11(-8.5,-4.445) 12(-8.5,-5.715) 13(-8.5,-6.985) 14(-8.5,-8.255) 25(8.5,-8.255) 26(8.5,-6.985) 27(8.5,-5.715) 28(8.5,-4.445) 29(8.5,-3.175) 30(8.5,-1.905) 31(8.5,-0.635) 32(8.5,0.635) 33(8.5,1.905) 34(8.5,3.175) 35(8.5,4.445) 36(8.5,5.715) 37(8.5,6.985) 38(8.5,8.255)
  rect 0.9x2 smd: 15(-5.715,-9.255) 16(-4.445,-9.255) 17(-3.175,-9.255) 18(-1.905,-9.255) 19(-0.635,-9.255) 20(0.635,-9.255) 21(1.905,-9.255) 22(3.175,-9.255) 23(4.445,-9.255) 24(5.715,-9.255)
  rect 5x5 smd: 39(-1,0.755)
Fiducial
  round 1 smd: (0,0)
JST_XH_B4B-XH-AM_1x04_P2.50mm_Vertical
  round 1.2 hole 1.2 unplated: (-1.6,-2)
  rrect 1.7x1.95 hole 0.95: 1(0,0)
  oval 1.7x1.95 hole 0.95: 2(2.5,0) 3(5,0) 4(7.5,0)
JST_XH_B8B-XH-AM_1x08_P2.50mm_Vertical
  round 1.2 hole 1.2 unplated: (-1.6,-2)
  rrect 1.7x1.95 hole 0.95: 1(0,0)
  oval 1.7x1.95 hole 0.95: 2(2.5,0) 3(5,0) 4(7.5,0) 5(10,0) 6(12.5,0) 7(15,0) 8(17.5,0)
L_12x12mm_H8mm
  rect 2.9x5.4 smd: 1(-4.95,0) 2(4.95,0)
LED_0603_1608Metric
  rrect 0.875x0.95 smd: 1(-0.787,0) 2(0.787,0)
MAX3232IPWR
  rect 1.676x0.356 smd: 1(-2.819,2.275) 2(-2.819,1.625) 3(-2.819,0.975) 4(-2.819,0.325) 5(-2.819,-0.325) 6(-2.819,-0.975) 7(-2.819,-1.625) 8(-2.819,-2.275) 9(2.819,-2.275) 10(2.819,-1.625) 11(2.819,-0.975) 12(2.819,-0.325) 13(2.819,0.325) 14(2.819,0.975) 15(2.819,1.625) 16(2.819,2.275)
NPTH
  round 1.152 hole 1.152 unplated: (0,0)
QFN-28-1EP_5x5mm_P0.5mm_EP3.35x3.35mm
  rrect 0.9x0.9 smd: (-1.12,1.12) (-1.12,0) (-1.12,-1.12) (0,1.12) (0,0) (0,-1.12) (1.12,1.12) (1.12,0) (1.12,-1.12)
  rrect 0.8x0.25 smd: 1(-2.45,1.5) 2(-2.45,1) 3(-2.45,0.5) 4(-2.45,0) 5(-2.45,-0.5) 6(-2.45,-1) 7(-2.45,-1.5) 15(2.45,-1.5) 16(2.45,-1) 17(2.45,-0.5) 18(2.45,0) 19(2.45,0.5) 20(2.45,1) 21(2.45,1.5)
  rrect 0.25x0.8 smd: 8(-1.5,-2.45) 9(-1,-2.45) 10(-0.5,-2.45) 11(0,-2.45) 12(0.5,-2.45) 13(1,-2.45) 14(1.5,-2.45) 22(1.5,2.45) 23(1,2.45) 24(0.5,2.45) 25(0,2.45) 26(-0.5,2.45) 27(-1,2.45) 28(-1.5,2.45)
  rect 3.35x3.35 smd: 29(0,0)
QFN-28-1EP_5x5mm_P0.5mm_EP3.75x3.75mm
  rrect 1.01x1.01 smd: (-1.25,1.25) (-1.25,-1.25) (-1.25,0) (0,1.25) (0,0) (0,-1.25) (1.25,0) (1.25,1.25) (1.25,-1.25)
  rrect 0.775x0.25 smd: 1(-2.462,1.5) 2(-2.462,1) 3(-2.462,0.5) 4(-2.462,0) 5(-2.462,-0.5) 6(-2.462,-1) 7(-2.462,-1.5) 15(2.462,-1.5) 16(2.462,-1) 17(2.462,-0.5) 18(2.462,0) 19(2.462,0.5) 20(2.462,1) 21(2.462,1.5)
  rrect 0.25x0.775 smd: 8(-1.5,-2.462) 9(-1,-2.462) 10(-0.5,-2.462) 11(0,-2.462) 12(0.5,-2.462) 13(1,-2.462) 14(1.5,-2.462) 22(1.5,2.462) 23(1,2.462) 24(0.5,2.462) 25(0,2.462) 26(-0.5,2.462) 27(-1,2.462) 28(-1.5,2.462)
  rect 3.75x3.75 smd: 29(0,0)
R_0402_1005Metric
  rrect 0.54x0.64 smd: 1(-0.51,0) 2(0.51,0)
R_0603_1608Metric
  rrect 0.8x0.95 smd: 1(-0.825,0) 2(0.825,0)
R_0805_2012Metric
  rrect 1.025x1.4 smd: 1(-0.912,0) 2(0.912,0)
R_1206_3216Metric
  rrect 1.125x1.75 smd: 1(-1.462,0) 2(1.462,0)
SOIC-8-1EP_3.9x4.9mm_P1.27mm_EP2.514x3.2mm
  rrect 1.01x1.29 smd: (-0.63,0.8) (-0.63,-0.8) (0.63,0.8) (0.63,-0.8)
  rrect 1.625x0.6 smd: 1(-2.638,1.905) 2(-2.638,0.635) 3(-2.638,-0.635) 4(-2.638,-1.905) 5(2.638,-1.905) 6(2.638,-0.635) 7(2.638,0.635) 8(2.638,1.905)
  rect 2.514x3.2 smd: 9(0,0)
SOT-23
  rrect 1.475x0.6 smd: 1(-0.938,0.95) 2(-0.938,-0.95) 3(0.938,0)
SOT-23-6
  rrect 1.325x0.6 smd: 1(-1.137,0.95) 2(-1.137,0) 3(-1.137,-0.95) 4(1.137,-0.95) 5(1.137,0) 6(1.137,0.95)
SOT-223-3_TabPin2
  rect 2x1.5 smd: 1(-3.15,2.3) 2(-3.15,0) 3(-3.15,-2.3)
  rect 2x3.8 smd: 2(3.15,0)
SW_Push_SPST_NO_Alps_SKRK
  rrect 0.8x2 smd: 1(-2.1,0) 2(2.1,0)
SW_SPDT_CK-JS102011SAQN
  round 0.9 hole 0.9 unplated: (-3.4,0) (3.4,0)
  rect 1.25x2.5 smd: 1(-2.5,2.75) 2(0,2.75) 3(2.5,2.75)
USB_Micro_B_Female_10118194-0001LF
  rect 0.4x1.35 smd: 1(-1.3,0) 2(-0.65,0) 3(0,0) 4(0.65,0) 5(1.3,0)
  oval 1x1.55 hole 0.5x1.15: SH(-3.5,-2.7) SH(3.5,-2.7)
  oval 1.25x0.95 hole 0.85x0.55: SH(-2.5,0) SH(2.5,0)

## Nets
Board_0-/3V3: C12#8.1 C23#8.1 C24#7.2 C25#2.1 C27.1 C30#9.1 C31#8.2 L1#2.2 R1#2.1 R3#4.1 R12.2 R13#2.1 R21.1 R22#9.2 R24#4.2 U1#2.2 U2#2.15 U3#9.16 U5#8.6 U5#8.7 U6#3.2
Board_0-/5V: C8#6.1 R18#9.1 U2#2.8
Board_0-/VBUS: D7.2 J4#9.1 U5#8.8 U7#4.5
Board_1-/3V3: C12#4.1 C23#9.1 C24#8.2 C25#4.1 C27#7.1 C30#5.1 C31#3.2 L1#5.2 R1#4.1 R3#5.1 R12#2.2 R13#8.1 R21#2.1 R22#5.2 R24.2 U1#8.2 U2#8.15 U3#6.16 U5#7.6 U5#7.7 U6#2.2
Board_1-/5V: C8#8.1 R18.1 U2#8.8
Board_1-/VBUS: D7#8.2 J4#2.1 U5#7.8 U7#3.5
Board_2-/3V3: C12#9.1 C23#6.1 C24#4.2 C25#8.1 C27#6.1 C30#2.1 C31#5.2 L1.2 R1#8.1 R3#3.1 R12#5.2 R13#6.1 R21#5.1 R22#2.2 R24#5.2 U1.2 U2.15 U3#7.16 U5#6.6 U5#6.7 U6#6.2
Board_2-/5V: C8#9.1 R18#4.1 U2.8
Board_2-/VBUS: D7#6.2 J4#4.1 U5#6.8 U7#9.5
Board_3-/3V3: C12#5.1 C23#4.1 C24#9.2 C25#3.1 C27#2.1 C30.1 C31#2.2 L1#3.2 R1#3.1 R3#2.1 R12#8.2 R13#5.1 R21#8.1 R22#3.2 R24#6.2 U1#4.2 U2#3.15 U3#3.16 U5#3.6 U5#3.7 U6#8.2
Board_3-/5V: C8.1 R18#3.1 U2#3.8
Board_3-/VBUS: D7#5.2 J4#3.1 U5#3.8 U7#2.5
Board_4-/3V3: C12#6.1 C23#3.1 C24#3.2 C25.1 C27#4.1 C30#3.1 C31.2 L1#9.2 R1#6.1 R3#9.1 R12#6.2 R13#9.1 R21#6.1 R22#6.2 R24#7.2 U1#3.2 U2#6.15 U3#4.16 U5#2.6 U5#2.7 U6.2
Board_4-/5V: C8#2.1 R18#5.1 U2#6.8
Board_4-/VBUS: D7#9.2 J4#5.1 U5#2.8 U7#6.5
Board_5-/3V3: C12#2.1 C23#7.1 C24#6.2 C25#7.1 C27#8.1 C30#4.1 C31#7.2 L1#6.2 R1.1 R3.1 R12#3.2 R13#7.1 R21#3.1 R22#8.2 R24#9.2 U1#7.2 U2#5.15 U3#5.16 U5#9.6 U5#9.7 U6#5.2
Board_5-/5V: C8#3.1 R18#2.1 U2#5.8
Board_5-/VBUS: D7#4.2 J4#8.1 U5#9.8 U7#5.5
